# Altium PCB UHF_RFID_PROJECT.PcbDoc (part 1 of 3) (continued)
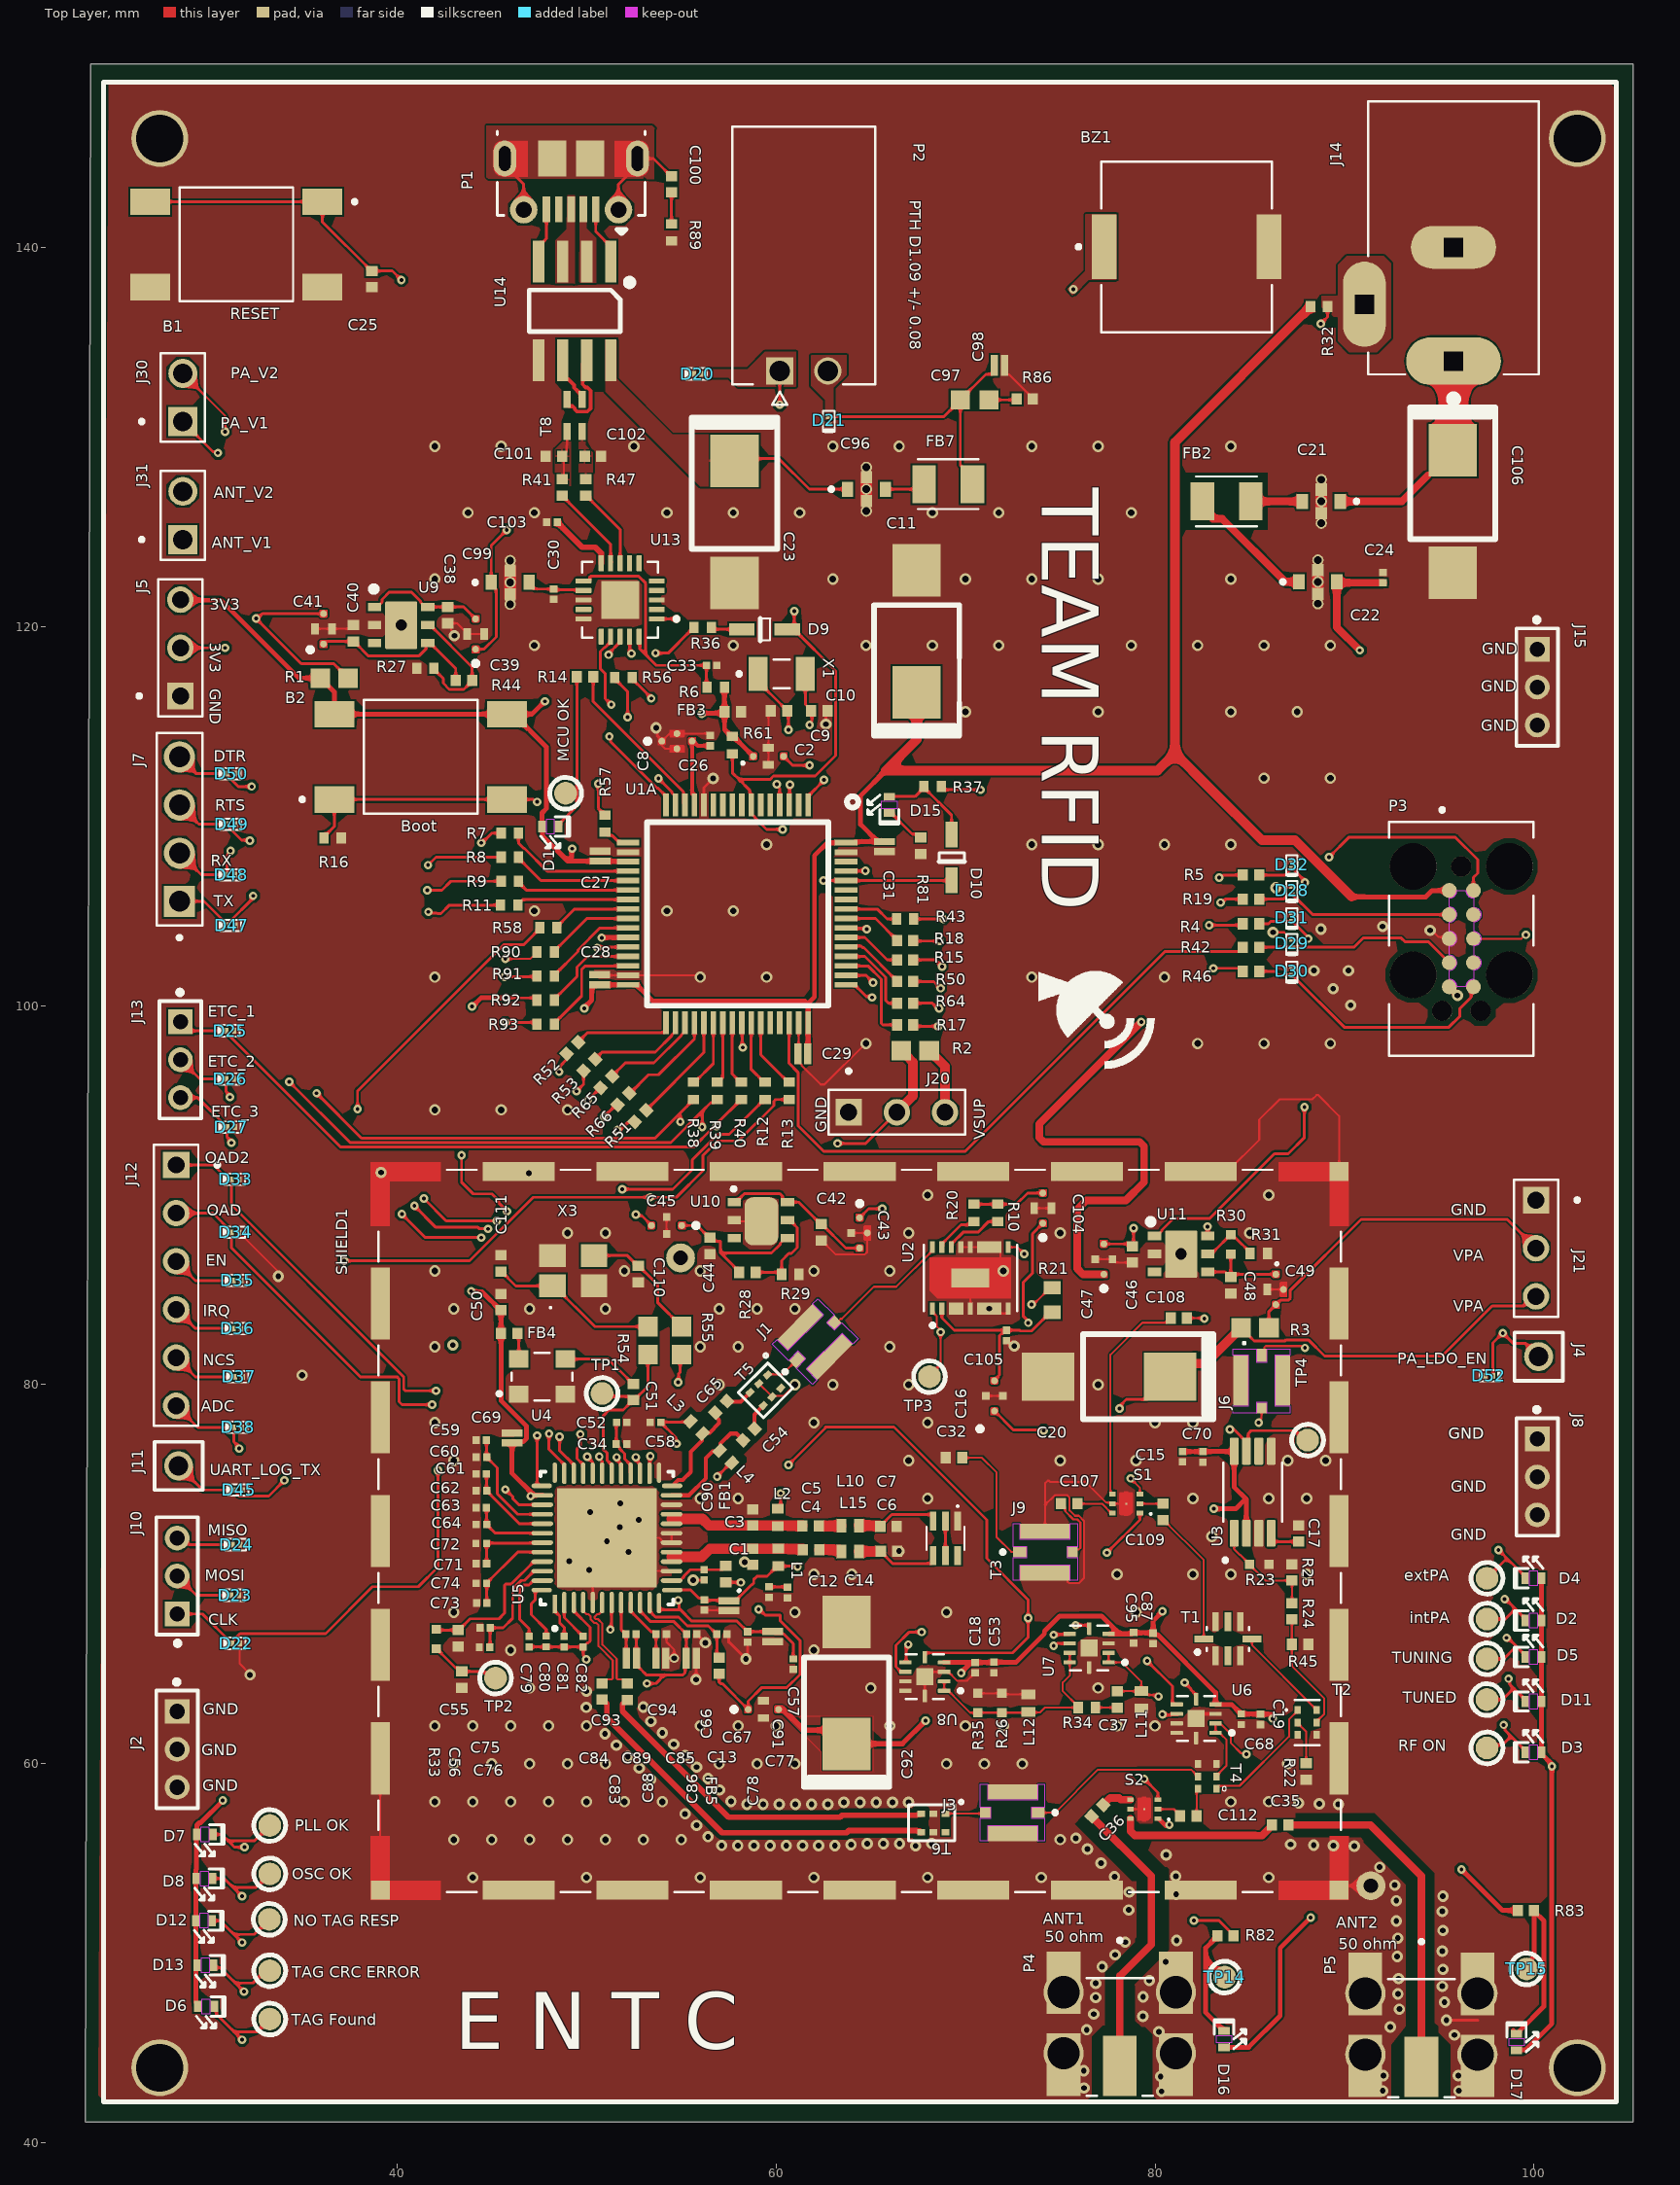
[diagram p0: Top Layer view]
## Components (designator, comment, footprint, x,y, rotation, side; value= is the part's Value field where it differs from the comment) (continued)
C84 "2u2F" CAPC0603X35N 52.35,66.836 r180 top
C85 "2u2F" CAPC0603X35N 55.55,66.836 r180 top
C86 "100nF" CAPC0510X35N 55.525,65.575 r180 top
C87 "2u2F" CAPC0603X35N 79.9,66.622 r90 top
C88 "100nF" CAPC0510X35N 53.925,65.575 r180 top
C89 "2u2F" CAPC0603X35N 53.947,66.836 r180 top
C90 "2u2F" CAPC0603X35N 56.21,69.97 r90 top
C91 "0.47uF" FP-NFM18-0_1-e0_05_0_35-MFG#1 59.334,62.871 r0 top
C92 "10uF" 2917(POL) 63.725,64.275 r90 top
C93 "82pF" CAPC1005X55N 50.825,63.818 r90 top
C94 "82pF" CAPC1005X55N 52.15,63.8 r90 top
C95 "120pF" CAPC0603X33N 78.875,66.644 r90 top
C96 "1uF" FIL_NFM21PC105B1A3D 64.77,127.244 r0 top
C97 "4u7F" CAPC1608X100N 70.485,131.953 r180 top
C98 "100nF" CAPC0510X35N 71.789,133.782 r180 top
C99 "1uF" FIL_NFM21PC105B1A3D 45.975,122.325 r0 top
C100 "4pF" CAPC1005X55N 54.483,143.332 r90 top
C101 "47pF" CAPC1005X55N 48.285,128.981 r0 top
C102 "47pF" CAPC1005X55N 50.343,128.981 r180 top
C103 "100nF" CAPC0603X33N 48.181,125.5 r0 top
C104 "0.47uF" FP-NFM18-0_1-e0_05_0_35-MFG#1 74.079,89.311 r90 top
C105 "2u2F" CAPC0603X35N 72.162,82.602 r90 top
C106 "6u8F" 2917(POL) 95.707,126.066 r270 top
C107 "82pF" CAPC1005X55N 75.475,73.725 r180 top
C108 "82pF" CAPC1005X55N 81.255,83.515 r180 top
C109 "82pF" CAPC1005X55N 80.425,73.293 r90 top
C110 "11pF" CAPC1005X55N 52.731,85.835 r270 top
C111 "11pF" CAPC1005X55N 45.492,86.394 r90 top
C112 "82pF" CAPC1005X55N 81.762,57.252 r0 top
D1 "LED BL" LED_0402 48.09,109.45 r180 top
D2 "LED BL" LED_0402 99.961,67.563 r0 top
D3 "LED BL" LED_0402 99.961,60.613 r0 top
D4 "LED BL" LED_0402 99.961,69.788 r0 top
D5 "LED BL" LED_0402 99.961,65.638 r0 top
D6 "LED BL" LED_0402 29.925,47.2 r180 top
D7 "LED BL" LED_0402 29.86,56.275 r180 top
D8 "LED BL" LED_0402 29.84,53.95 r180 top
D9 "BAT60JFILM" SOD323 59.4,119.85 r180 top
D10 "BAT60JFILM" SOD323 69.266,107.817 r270 top
D11 "LED BL" LED_0402 99.961,63.288 r0 top
D12 "LED BL" LED_0402 29.815,51.725 r180 top
D13 "LED BL" LED_0402 29.89,49.375 r180 top
D15 "LED RED" LED_0402 65.98,110.594 r90 top
D16 "LED BL" LED_0402 83.641,45.478 r270 top
D17 "LED BL" LED_0402 99.075,45.325 r270 top
D20 "TVS" ST0201 55.858,133.325 r0 top
D21 "TVS" ST0201 62.789,130.864 r90 top
D22 "TVS" ST0201 31.498,66.352 r0 top
D23 "TVS" ST0201 31.45,68.892 r0 top
D24 "TVS" ST0201 31.53,71.559 r0 top
D25 "TVS" ST0201 31.194,98.669 r0 top
D26 "TVS" ST0201 31.194,96.129 r0 top
D27 "TVS" ST0201 31.242,93.589 r0 top
D28 "TVS" ST0201 87.22,106.077 r90 top
D29 "TVS" ST0201 87.22,103.283 r90 top
D30 "TVS" ST0201 87.22,101.807 r90 top
D31 "TVS" ST0201 87.22,104.649 r90 top
D32 "TVS" ST0201 87.22,107.443 r90 top
D33 "TVS" ST0201 31.478,90.829 r0 top
D34 "TVS" ST0201 31.478,88.035 r0 top
D35 "TVS" ST0201 31.573,85.495 r0 top
D36 "TVS" ST0201 31.573,82.955 r0 top
D37 "TVS" ST0201 31.652,80.415 r0 top
D38 "TVS" ST0201 31.605,77.748 r0 top
D45 "TVS" ST0201 31.652,74.446 r0 top
D47 "TVS" ST0201 31.271,104.233 r0 top
D48 "TVS" ST0201 31.24,106.9 r0 top
D49 "TVS" ST0201 31.271,109.567 r0 top
D50 "TVS" ST0201 31.24,112.234 r0 top
D52 "TVS" ST0201 97.619,80.469 r180 top
extPA "Testpoint" Testpoint_FP 97.515,69.788 r90 top (schematic designator TP11)
FB1 "330R" BEADC1005X55N 57.353,70.002 r270 top
FB2 "31Ohm" FIL_NFZ32BW310HN11L 83.775,126.6 r180 top
FB3 "1K" BEADC1005X55N 57.718,115.5 r0 top
FB4 "1k" BEADC1005X55N 45.924,82.711 r0 top
FB5 "1K" BEADC1005X55N 56.998,65.177 r270 top
FB7 "31Ohm" FIL_NFZ32BW310HN11L 69.088,127.508 r0 top
intPA "Testpoint" Testpoint_FP 97.515,67.638 r90 top (schematic designator TP6)
J1 "COAX JACK" SW_MS-156HF(01) 62.002,82.203 r135 top
J2 "951103-8622-AR" FP-951103-8622-AR-MFG 28.402,60.764 r270 top
J3 "COAX JACK" SW_MS-156HF(01) 72.575,57.425 r270 top
J4 "MTSW-101-22-T-S-400" SAMTEC_MTSW-101-22-T-S-400 100.239,81.485 r0 top
J5 "5-146280-3" TE_5-146280-3 28.575,118.872 r90 top
J6 "COAX JACK" SW_MS-156HF(01) 85.624,80.298 r0 top
J7 "10129378-904005BLF" AMPHENOL_10129378-904005BLF 28.525,109.313 r90 top
J8 "951103-8622-AR" FP-951103-8622-AR-MFG 100.169,75.135 r270 top
J9 "Coax Jack" SW_MS-156HF(01) 74.117,71.171 r90 top
J10 "951103-8622-AR" FP-951103-8622-AR-MFG 28.402,69.908 r90 top
J11 "MTSW-101-22-T-S-400" SAMTEC_MTSW-101-22-T-S-400 28.477,75.716 r0 top
J12 "2267062-6" TE_2267062-6 28.35,85.241 r270 top
J13 "951103-8622-AR" FP-951103-8622-AR-MFG 28.575,97.145 r270 top
J14 "PJ-002A" CUI_PJ-002A 95.75,134 r90 top
J15 "951103-8622-AR" FP-951103-8622-AR-MFG 100.169,116.8 r270 top
J20 "5-146280-3" TE_5-146280-3 66.375,94.375 r0 top
J21 "5-146280-3" TE_5-146280-3 100.102,87.2 r270 top
J30 "5-146281-2" TE_5-146281-2 28.702,132.08 r90 top
J31 "5-146281-2" TE_5-146281-2 28.702,125.857 r90 top
L1 "30nH" INDC1005X60N 60.122,70.891 r270 top
L2 "30nH" INDC1005X60N 60.096,73 r270 top
L3 "30nH" INDC1005X60N 55.804,77.749 r315 top
L4 "30nH" INDC1005X60N 57.353,76.2 r315 top
L10 "3n6H" INDC1006X60N 63.909,72.568 r180 top
L11 "6n8H" INDC1006X60N 79.275,63.375 r90 top
L12 "6n2H" INDC1006X60N 73.322,63.209 r270 top
L15 "3n6H" INDC1006X60N 63.909,71.196 r0 top
"MCU OK" "Testpoint" Testpoint_FP 48.9,111.2 r90 top (schematic designator TP5)
"NO TAG RESP" "Testpoint" Testpoint_FP 33.265,51.793 r90 top (schematic designator TP16)
"OSC OK" "Testpoint" Testpoint_FP 33.29,54.193 r90 top (schematic designator TP13)
P1 "uUSB" MOLEX_1050170001 49.189,146.136 r180 top
P2 "1719740002" MOLEX_1719740002 60.198,133.477 r180 top
P3 ".06.04_J-LINK_NEEDLE_ADAPTER" SEGGER_8.06.04_J-LINK_NEEDLE_ADAPTER 96.164,103.53 r270 top
P4 "903-723J-51S" AMPHENOL_903-723J-51S 78.141,42.483 r180 top
P5 "903-723J-51S" AMPHENOL_903-723J-51S 94.055,42.418 r180 top
"PLL OK" "Testpoint" Testpoint_FP 33.29,56.746 r90 top (schematic designator TP12)
R1 "0R" RESC1607X60N 36.69,117.275 r180 top
R2 "0R" RESC1607X60N 67.35,97.625 r0 top
R3 "0R" RESC1607X60N 85.275,83 r180 top
R4 "220" RESC1005X40N#1 85.061,104.317 r180 top
R5 "220" RESC1005X40N#1 85.061,106.887 r0 top
R6 "0R" RESC1005X37N 56.818,116.8 r0 top
R7 "0R" RESC1005X37N 45.957,109.1 r0 top
R8 "0R" RESC1005X37N 45.957,107.83 r0 top
R9 "0R" RESC1005X37N 45.957,106.56 r0 top
R10 "0R" RESC1005X37N 71.708,89.061 r90 top
R11 "0R" RESC1005X37N 45.925,105.3 r0 top
R12 "0R" RESC1005X37N 59.425,95.5 r90 top
R13 "0R" RESC1005X37N 60.7,95.5 r90 top
R14 "220R" RESC1005X40N#1 49.925,117.35 r180 top
R15 "220R" RESC1005X40N#1 66.818,102.412 r0 top
R16 "10K" RESC1005X40N#2 36.605,108.85 r180 top
R17 "220R" RESC1005X40N#1 66.818,98.983 r0 top
R18 "220R" RESC1005X40N#1 66.818,103.428 r0 top
R19 "220" RESC1005X40N#1 85.061,105.617 r180 top
R20 "0R" RESC1005X37N 70.438,89.061 r90 top
R21 "100R" RESC1005X40 74.575,84.474 r90 top
R22 "51.1R" RESC1005X40N#1 87.975,59.593 r90 top
R23 "52.3R" RES_ERJ2RKF52R3X 85.501,70.519 r180 top
R24 "249R" RESC1005X40N#1 87.225,68.05 r270 top
R25 "62R" RESC1005X40N#1 87.225,70.1 r270 top
R26 "75R" RES_ERJ2RKF75R0X 71.925,63.213 r270 top
R27 "10K" RESC1005X40N#2 41.495,117.8 r180 top
R28 "35k7" RESC1005X40N#1 58.496,85.928 r180 top
R29 "10k" RESC1005X40N#2 60.755,85.827 r0 top
R30 "90.9k" RES_ERJ2RKF4222X 83.998,87.401 r270 top
R31 "10k" RESC1005X40N#2 85.475,86.925 r0 top
R32 "100k" RESC1005X40N#3 88.659,136.881 r180 top
R33 "15k" RES_ERJ-2GEJ153X 42.075,66.588 r90 top
R34 "0R" RESC1005X37N 76.403,62.967 r180 top
R35 "100R DNP" RES_ERJ2RKF75R0X 70.655,63.209 r270 top
R36 "0R" RESC1005X37N 56.125,119.95 r0 top
R37 "0R" RESC1005X37N 68.266,111.556 r180 top
R38 "0R" RESC1005X37N 55.65,95.5 r270 top
R39 "0R" RESC1005X37N 56.9,95.5 r270 top
R40 "0R" RESC1005X37N 58.175,95.5 r270 top
R41 "27R" RESC1005X40N#1 48.717,127.33 r270 top
R42 "220" RESC1005X40N#1 85.061,103.077 r180 top
R43 "0R" RESC1005X37N 66.818,104.571 r180 top
R44 "31K6" RESC1005X40N#1 43.532,117.15 r180 top
R45 "62R" RESC1005X40N#1 87.65,66.3 r180 top
R46 "220" RESC1005X40N#1 85.061,101.807 r180 top
R47 "27R" RESC1005X40N#1 49.962,127.33 r270 top
R50 "220R" RESC1005X40N#1 66.818,101.269 r0 top
R51 "220R" RESC1005X40N#1 52.846,94.179 r225 top
R52 "220R" RESC1005X40N#1 49.254,97.771 r225 top
R53 "220R" RESC1005X40N#1 50.152,96.873 r225 top
R54 "0R-DNP" RESC1607X60N 53.239,82.33 r90 top
R55 "0R- DNP" RESC1607X60N 55.017,82.33 r90 top
R56 "0R" RESC1005X37N 51.95,117.3 r180 top
R57 "0R" RESC1005X37N 50.975,109.6 r270 top
R58 "0R" RESC1005X37N 47.985,104.107 r180 top
R61 "10K" RESC1005X40N#2 57.7,113.745 r90 top
R64 "220R" RESC1005X40N#1 66.818,100.126 r0 top
R65 "220R" RESC1005X40N#1 51.05,95.975 r225 top
R66 "220R" RESC1005X40N#1 51.948,95.077 r225 top
R81 "220R" RESC1005X40N#1 67.631,108.432 r90 top
R82 "220R" RESC1005X40N#1 83.718,50.927 r180 top
R83 "220R" RESC1005X40N#1 99.567,52.263 r0 top
R86 "20R" RESC1005X40N#1 73.127,132.004 r180 top
R89 "0R" RESC1005X37N 54.483,140.792 r90 top
R90 "0R" RESC1005X37N 47.85,102.825 r180 top
R91 "0R" RESC1005X37N 47.85,101.555 r0 top
R92 "0R" RESC1005X37N 47.85,100.285 r0 top
R93 "0R" RESC1005X37N 47.85,99.015 r0 top
"RF ON" "Testpoint" Testpoint_FP 97.515,60.838 r90 top (schematic designator TP10)
S1 "SKY13431-374LF" SW_SKY13431-374LF 78.475,73.725 r180 top
S2 "SP2T" SW_SKY13431-374LF 79.426,57.607 r180 top
SHIELD1 "2118732-2" TE_2118732-2 64.416,72.287 r180 top
T1 "LOW PASS FILTER" FIL_0900LP15B0063E 83.846,66.593 r0 top
T2 "20dB Dir Coupler" COUPLER_DC1722J5020AHF 88.024,62.18 r0 top
T3 "Balun" 0900BL15C050E 68.936,71.896 r180 top
T4 "10dB Dir Coupler" PSON65P164X204X84-6N 82.753,59.334 r180 top
T5 "BD0810J50100AHF" BD0810J50100AHF 59.445,79.711 r225 top
T6 "BD0810J50100AHF" BD0810J50100AHF 68.3,56.88 r180 top
T8 "744231091" WE-CNSW_0805 49.375,131.125 r270 top
"TAG CRC ERROR" "Testpoint" Testpoint_FP 33.29,49.087 r90 top (schematic designator TP17)
"TAG Found" "Testpoint" Testpoint_FP 33.29,46.533 r90 top (schematic designator TP8)
TP1 "Testpoint" Testpoint_FP 50.826,79.536 r0 top
TP2 "Testpoint" Testpoint_FP 45.2,64.525 r90 top
TP3 "Testpoint" Testpoint_FP 68.098,80.425 r90 top
TP4 "Testpoint" Testpoint_FP 88.05,77.075 r90 top
TP14 "Testpoint" Testpoint_FP 83.675,48.75 r90 top
TP15 "Testpoint" Testpoint_FP 99.6,49.175 r90 top
TUNED "Testpoint" Testpoint_FP 97.515,63.388 r90 top (schematic designator TP9)
TUNING "Testpoint" Testpoint_FP 97.515,65.538 r90 top (schematic designator TP7)
U1A "STM32L476RGT6" LQFP-64(10X10)MM 57.944,104.845 r180 top
U2 "TQP9107" IC_TQP9107 70.257,85.632 r90 top
U3 "Log Detect" SOP65P490X110-8N 85.15,74.325 r90 top
U4 "TCXO 20.000Mhz" OSCCC320X250X100N 47.651,80.425 r0 top
U5 "ST25RU3993-BQFT" FP-ST25RU3993-BQFT-IPC_A 51.08,71.916 r90 top
U6 "PE64906MLAA-Z" QFN50P200X200X60-11N 82.169,62.382 r180 top
U7 "PE64906MLAA-Z" QFN50P200X200X60-11N 76.525,66.1 r180 top
U8 "PE64906MLAA-Z" QFN50P200X200X60-11N 67.85,64.6 r180 top
U9 "LD39100PUR" DFN6-3X3MM#1 40.225,120.075 r0 top
U10 "LD39100PUR" DFN6-3X3MM#2 59.207,88.681 r0 top
U11 "LD39100PUR" DFN6-3X3MM#1 81.375,86.9 r0 top
U13 "FT231XQ-R" QFN50P400X400X80-21N 51.775,121.4 r180 top
U14 "USB6B1RL" SOIC8 49.375,136.65 r180 top
X1 "NX3215SA-32.768K-STD-MUA-14" XTAL_NX3215SA-32.768K-STD-MUA-14 60.3,117.5 r0 top
X3 "20MHz" NX3225SA20000000MHZB2 49.302,86.013 r0 top

## Footprints (in the part's own frame and the unit in brackets; to place one, negate y for a bottom-side part, rotate by r counter-clockwise, add the part's x,y. Pads: shape width x height; smd on the part's side, far side on the other; paste and mask are expansions set on the pad)
0900BL15C050E [mm]
  rect 0.35x1 smd mask+0.01: 1(-0.65,-0.9) 2(0,-0.9) 3(0.65,-0.9) 4(0.65,0.9) 5(0,0.9) 6(-0.65,0.9)
  silkscreen extent -1,-1.75 1,0.63, body extent -1,-1.37 1,1.37, height 0.9
2917(POL) [mm]
  rect 2.77x2.55 smd mask+0.01: 1(-3.22,0) 2(3.22,0)
  silkscreen extent -5.5,-2.25 1.38,2.25
AMPHENOL_903-723J-51S [mm]
  rect 1.78x3.18 smd mask+0.01: 1(0,-1.59)
  round 2.12 hole 1.7 mask+0.01: S1(-2.96,-2.24) S2(2.96,-2.24) S3(-2.96,-5.47) S4(2.96,-5.47)
  rect 1.78x3.3 smd mask+0.01: S5(-2.96,-1.65) S6(2.96,-1.65) S7(2.96,-5.97) S8(-2.96,-5.97)
  silkscreen extent -1.75,-8.3 1.75,0
AMPHENOL_10129378-904005BLF [mm]
  rect 1.65x1.65 / inner round 1.65 / far side rect 1.65x1.65 hole 1.1 mask+0.01: 01(-3.81,0)
  round 1.65 hole 1.1 mask+0.01: 02(-1.27,0) 03(1.27,0) 04(3.81,0)
  silkscreen extent -5.83,-1.22 5.08,1.19, body extent -5.08,-1.21 5.08,1.21, height 12.19
BD0810J50100AHF [mm]
  rect 0.41x0.33 smd mask+0.01: 1(-0.65,-0.495) 2(0,-0.495) 3(0.65,-0.495) 4(0.65,0.495) 5(0,0.495) 6(-0.65,0.495)
  silkscreen extent -1.4,-1.38 1.1,0.95, body extent -1.02,-0.64 1.02,0.64, height 0.84
BEADC1005X55N [mm]
  rect 0.54x0.6 smd mask+0.01: 1(-0.432,0) 2(0.432,0)
  body extent -0.5,-0.25 0.5,0.25, height 0.55
CAPC0510X35N [mm]
  rect 0.38x1.1 smd mask+0.01: 1(-0.263,0) 2(0.263,0)
  body extent -0.25,-0.5 0.25,0.5, height 0.35
CAPC0603X33N [mm]
  rect 0.38x0.4 smd mask+0.01: 1(-0.281,0) 2(0.281,0)
  body extent -0.3,-0.15 0.3,0.15, height 0.3
CAPC0603X35N [mm]
  rect 0.39x0.4 smd mask+0.01: 1(-0.272,0) 2(0.272,0)
CAPC1005X55N [mm]
  rect 0.54x0.6 smd mask+0.01: 1(-0.432,0) 2(0.432,0)
CAPC1608X100N [mm]
  rect 1x1.02 smd mask+0.01: 1(-0.759,0) 2(0.759,0)
  body extent -0.8,-0.4 0.8,0.4, height 1
COUPLER_DC1722J5020AHF [mm]
  rect 0.33x0.41 smd mask+0.01: 1(-0.495,0.66) 2(-0.495,0) 3(-0.495,-0.66) 4(0.495,-0.66) 5(0.495,0) 6(0.495,0.66)
  silkscreen extent -1.15,-1.19 0.65,1.19, body extent -0.64,-1.02 0.65,1.02, height 0.61
CUI_PJ-002A [mm]
  oval 2.5x5 hole 1 square mask+0.01: 1(0,0)
  oval 2.25x4.5 hole 1 square mask+0.01: 2(6,0)
  oval 4.5x2.25 hole 1 square mask+0.01: 3(3,4.7)
  silkscreen extent -2.2,-4.5 13.7,4.5, body extent -0.7,-4.5 13.7,4.9, height 11
DFN6-3X3MM#1 [mm]
  rect 0.7x0.45 smd mask+0.01: 1(-1.4,0.95) 2(-1.4,0) 3(-1.4,-0.95) 4(1.4,-0.95) 5(1.4,0) 6(1.4,0.95)
  rrect9% 1.7x2.5 smd mask+0.01: E.P.(0,-0.01)
  rrect50% 1.7x2.5 smd far side paste-2 mask+0.01: E.P.1(0,-0.01)
  rect 1.108x1.108 / inner round 1.108 / far side rect 1.108x1.108 hole 0.6 mask+0.01: GND_VIA(0,0)
  silkscreen extent -1.55,1.8 -1.35,2, body extent -1.5,-1.5 1.5,1.5, height 1
DFN6-3X3MM#2 [mm]
  rect 0.7x0.45 smd mask+0.01: 1(-1.4,0.95) 2(-1.4,0) 3(-1.4,-0.95) 4(1.4,-0.95) 5(1.4,0) 6(1.4,0.95)
  silkscreen extent -1.51,1.57 -1.36,1.72, body extent -1.5,-1.5 1.5,1.5, height 1
FIL_0900LP15B0063E [mm]
  rect 0.35x1 smd mask+0.01: 1(-0.65,-0.9) 2(0,-0.9) 3(0.65,-0.9) 5(0.65,0.9) 6(0,0.9) 7(-0.65,0.9)
  rect 1x0.35 smd mask+0.01: 4(1.275,0) 8(-1.275,0)
  silkscreen extent -1.71,-0.8 1.11,0.63, body extent -1,-0.63 1,0.63, height 1.05
FIL_NFM21PC105B1A3D [mm]
  rect 0.6x0.8 smd mask+0.01: 1(-1,0) 3(1,0)
  rect 0.6x0.65 smd mask+0.01: 2(0,0.625) 2_1(0,-0.625)
  round 0.6 hole 0.4 mask+0.01: 2_2(0,1.15) 2_3(0,0) 2_4(0,-1.15)
  Top Layer region: 0.3,-0.85 -0.3,-0.85 -0.3,0.85 0.3,0.85
  silkscreen extent -1.95,-0.1 -1.75,0.1
FIL_NFZ32BW310HN11L [mm]
  rect 1.25x2 smd mask+0.01: 1(-1.275,0) 2(1.275,0)
  silkscreen extent -1.6,-1.31 1.6,1.31, body extent -1.6,-1.25 1.6,1.25, height 1.7
FP-951103-8622-AR-MFG [mm]
  rect 1.3x1.3 hole 0.8 paste-1000 mask+0.01: 1(-2,0)
  round 1.3 hole 0.8 paste-1000 mask+0.01: 2(0,0) 3(2,0)
  silkscreen extent -3.67,-1.1 3.1,1.1, body extent -3.2,-1.2 3.2,1.2, height 0.25
FP-NFM18-0_1-e0_05_0_35-MFG#1 [mm]
  round 0.36 smd paste+0 mask+0.01: 1(-0.8,0) 3(0.8,0)
  Top Layer region: -1,-0.2 -1,0.2 -0.65,0.2 -0.6,0.15 -0.6,-0.15 -0.65,-0.2 -1,-0.2
  Top Layer region: 1,-0.2 1,0.2 0.65,0.2 0.6,0.15 0.6,-0.15 0.65,-0.2 1,-0.2
  silkscreen extent -1.43,-0.43 -1.27,-0.28, body extent -1.1,-0.7 1.1,0.7, height 0.25
FP-NFM18-0_1-e0_05_0_35-MFG#2 [mm]
  round 0.36 smd paste+0 mask+0.01: 1(-0.8,0) 2(0,-0.4) 2(0,0.4) 3(0.8,0)
  Top Layer region: -1,-0.2 -1,0.2 -0.65,0.2 -0.6,0.15 -0.6,-0.15 -0.65,-0.2 -1,-0.2
  Top Layer region: 1,-0.2 1,0.2 0.65,0.2 0.6,0.15 0.6,-0.15 0.65,-0.2 1,-0.2
  Top Layer region: -0.4,0.6 0.4,0.6 0.4,0.25 0.35,0.2 -0.35,0.2 -0.4,0.25 -0.4,0.6
  Top Layer region: -0.4,-0.6 0.4,-0.6 0.4,-0.25 0.35,-0.2 -0.35,-0.2 -0.4,-0.25 -0.4,-0.6
  silkscreen extent -1.67,-0.12 -1.42,0.12, body extent -1.1,-0.7 1.1,0.7, height 0.25
FP-NFM18-0_1-e0_05_0_35-MFG#3 [mm]
  round 0.36 smd paste+0 mask+0.01: 1(-0.8,0) 2(0,0.4) 3(0.8,0)
  Top Layer region: -1,-0.2 -1,0.2 -0.65,0.2 -0.6,0.15 -0.6,-0.15 -0.65,-0.2 -1,-0.2
  Top Layer region: 1,-0.2 1,0.2 0.65,0.2 0.6,0.15 0.6,-0.15 0.65,-0.2 1,-0.2
  Top Layer region: -0.4,0.6 0.4,0.6 0.4,0.25 0.35,0.2 -0.35,0.2 -0.4,0.25 -0.4,0.6
  silkscreen extent -1.67,-0.12 -1.43,0.13, body extent -1.1,-0.7 1.1,0.7, height 0.25
FP-ST25RU3993-BQFT-IPC_A [mm]
  rect 0.975x0.239 smd paste+0 mask+0.01: 1(-3.491,2.75)
  rrect100% 1.138x0.239 smd paste+0 mask+0.01: 2(-3.41,2.25) 3(-3.41,1.75) 4(-3.41,1.25) 5(-3.41,0.75) 6(-3.41,0.25) 7(-3.41,-0.25) 8(-3.41,-0.75) 9(-3.41,-1.25) 10(-3.41,-1.75) 11(-3.41,-2.25) 26(3.41,-2.25) 27(3.41,-1.75) 28(3.41,-1.25) 29(3.41,-0.75) 30(3.41,-0.25) 31(3.41,0.25) 32(3.41,0.75) 33(3.41,1.25) 34(3.41,1.75) 35(3.41,2.25)
  rrect100% 1.073x0.239 smd paste+0 mask+0.01: 12(-3.442,-2.75) 25(3.442,-2.75) 36(3.442,2.75)
  rrect100% 0.239x1.073 smd paste+0 mask+0.01: 13(-2.75,-3.442) 24(2.75,-3.442) 37(2.75,3.442) 48(-2.75,3.442)
  rrect100% 0.239x1.138 smd paste+0 mask+0.01: 14(-2.25,-3.41) 15(-1.75,-3.41) 16(-1.25,-3.41) 17(-0.75,-3.41) 18(-0.25,-3.41) 19(0.25,-3.41) 20(0.75,-3.41) 21(1.25,-3.41) 22(1.75,-3.41) 23(2.25,-3.41) 38(2.25,3.41) 39(1.75,3.41) 40(1.25,3.41) 41(0.75,3.41) 42(0.25,3.41) 43(-0.25,3.41) 44(-0.75,3.41) 45(-1.25,3.41) 46(-1.75,3.41) 47(-2.25,3.41)
  rect 5.24x5.24 smd paste-1000 mask+0.01: 49(0,0)
  silkscreen extent -4.86,-3.5 3.5,3.5, body extent -4.48,-4.48 4.48,4.48, height 0.25
IC_TQP9107 [mm]
  rect 0.62x0.27 smd mask+0.01: 1(-1.62,2) 2(-1.62,1.5) 4(-1.62,0) 6(-1.62,-2) 7(1.62,-2) 9(1.62,0) 10(1.62,0.5) 11(1.62,1) 12(1.62,1.5) 13(1.62,2)
  rect 0.62x0.77 smd mask+0.01: 3(-1.62,0.75)
  rect 0.62x1.27 smd mask+0.01: 5(-1.62,-1) 8(1.62,-1)
  rect 1x2 smd paste-2 mask+0.01: 14(0,0)
  Top Layer region: 1.08,-2.14 -1.08,-2.14 -1.08,1.74 -0.68,2.14 1.08,2.14
  silkscreen extent -2.6,-2.46 1.75,2.46, body extent -1.75,-2.25 1.75,2.25, height 1
INDC1005X60N [mm]
  rect 0.51x0.63 smd mask+0.01: 1(-0.46,0) 2(0.46,0)
INDC1006X60N [mm]
  rect 0.51x0.73 smd mask+0.01: 1(-0.46,0) 2(0.46,0)
LED_0402 [mm]
  rect 0.399x0.6 smd mask+0.01: A(0.435,0) C(-0.435,0)
  Keep-Out Layer region: 0.2,-0.4 -0.2,-0.4 -0.2,0.4 0.2,0.4
  silkscreen extent -1.02,-0.51 0.51,1.14
LQFP-64(10X10)MM [mm]
  rect 0.3x1.2 smd mask+0.01: 1(-3.75,-5.75) 2(-3.25,-5.75) 3(-2.75,-5.75) 4(-2.25,-5.75) 5(-1.75,-5.75) 6(-1.25,-5.75) 7(-0.75,-5.75) 8(-0.25,-5.75) 9(0.25,-5.75) 10(0.75,-5.75) 11(1.25,-5.75) 12(1.75,-5.75) 13(2.25,-5.75) 14(2.75,-5.75) 15(3.25,-5.75) 16(3.75,-5.75) 33(3.75,5.75) 34(3.25,5.75) 35(2.75,5.75) 36(2.25,5.75) 37(1.75,5.75) 38(1.25,5.75) 39(0.75,5.75) 40(0.25,5.75) 41(-0.25,5.75) 42(-0.75,5.75) 43(-1.25,5.75) 44(-1.75,5.75) 45(-2.25,5.75) 46(-2.75,5.75) 47(-3.25,5.75) 48(-3.75,5.75)
  rect 1.2x0.3 smd mask+0.01: 17(5.75,-3.75) 18(5.75,-3.25) 19(5.75,-2.75) 20(5.75,-2.25) 21(5.75,-1.75) 22(5.75,-1.25) 23(5.75,-0.75) 24(5.75,-0.25) 25(5.75,0.25) 26(5.75,0.75) 27(5.75,1.25) 28(5.75,1.75) 29(5.75,2.25) 30(5.75,2.75) 31(5.75,3.25) 32(5.75,3.75) 49(-5.75,3.75) 50(-5.75,3.25) 51(-5.75,2.75) 52(-5.75,2.25) 53(-5.75,1.75) 54(-5.75,1.25) 55(-5.75,0.75) 56(-5.75,0.25) 57(-5.75,-0.25) 58(-5.75,-0.75) 59(-5.75,-1.25) 60(-5.75,-1.75) 61(-5.75,-2.25) 62(-5.75,-2.75) 63(-5.75,-3.25) 64(-5.75,-3.75)
  silkscreen extent -6.4,-6.2 4.76,4.85, body extent -6,-6 6,6, height 1.6
MOLEX_1050170001 [mm]
  rect 0.4x1.35 smd mask+0.01: 1(-1.3,4.125) 2(-0.65,4.125) 3(0,4.125) 4(0.65,4.125) 5(1.3,4.125)
  round 1.45 hole 0.85 mask+0.01: SH1(-2.5,4.15) SH2(2.5,4.15)
  oval 1.2x1.9 hole 0.6 slot 1.3 at 90 deg mask+0.01: SH3(-3.5,1.45) SH6(3.5,1.45)
  rect 1.5x1.9 smd mask+0.01: SH4(-1,1.45) SH5(1,1.45)
  Top Layer region: 3.626,2.399 3.652,2.397 3.678,2.394 3.704,2.389 3.729,2.383 3.755,2.376 3.779,2.367 3.803,2.357 3.827,2.346 3.85,2.333 3.872,2.319 3.894,2.305 3.915,2.289 3.935,2.272 3.954,2.254 3.972,2.235 3.989,2.215 4.005,2.194 4.019,2.172 4.033,2.15 4.046,2.127 4.057,2.103 4.067,2.079 4.076,2.055 4.083,2.029 4.089,2.004 4.094,1.978 4.097,1.952 4.099,1.926 4.1,1.9 4.1,1 4.099,0.974 4.097,0.948 4.094,0.922 4.089,0.896 4.083,0.871 4.076,0.845 4.067,0.821 4.057,0.797 4.046,0.773 4.033,0.75 4.019,0.728 4.005,0.706 3.989,0.685 3.972,0.665 3.954,0.646 3.935,0.628 3.915,0.611 3.894,0.595 3.872,0.581 3.85,0.567 3.827,0.554 3.803,0.543 3.779,0.533 3.755,0.524 3.729,0.517 3.704,0.511 3.678,0.506 3.652,0.503 3.626,0.501 3.6,0.5 2.3,0.5 2.3,2.4 3.6,2.4
  Top Layer region: -2.3,0.5 -3.6,0.5 -3.626,0.501 -3.652,0.503 -3.678,0.506 -3.704,0.511 -3.729,0.517 -3.755,0.524 -3.779,0.533 -3.803,0.543 -3.827,0.554 -3.85,0.567 -3.872,0.581 -3.894,0.595 -3.915,0.611 -3.935,0.628 -3.954,0.646 -3.972,0.665 -3.989,0.685 -4.005,0.706 -4.019,0.728 -4.033,0.75 -4.046,0.773 -4.057,0.797 -4.067,0.821 -4.076,0.845 -4.083,0.871 -4.089,0.896 -4.094,0.922 -4.097,0.948 -4.099,0.974 -4.1,1 -4.1,1.9 -4.099,1.926 -4.097,1.952 -4.094,1.978 -4.089,2.004 -4.083,2.029 -4.076,2.055 -4.067,2.079 -4.057,2.103 -4.046,2.127 -4.033,2.15 -4.019,2.172 -4.005,2.194 -3.989,2.215 -3.972,2.235 -3.954,2.254 -3.935,2.272 -3.915,2.289 -3.894,2.305 -3.872,2.319 -3.85,2.333 -3.827,2.346 -3.803,2.357 -3.779,2.367 -3.755,2.376 -3.729,2.383 -3.704,2.389 -3.678,2.394 -3.652,2.397 -3.626,2.399 -3.6,2.4 -2.3,2.4
  Bottom_Gnd region: -2.3,0.5 -3.6,0.5 -3.626,0.501 -3.652,0.503 -3.678,0.506 -3.704,0.511 -3.729,0.517 -3.755,0.524 -3.779,0.533 -3.803,0.543 -3.827,0.554 -3.85,0.567 -3.872,0.581 -3.894,0.595 -3.915,0.611 -3.935,0.628 -3.954,0.646 -3.972,0.665 -3.989,0.685 -4.005,0.706 -4.019,0.728 -4.033,0.75 -4.046,0.773 -4.057,0.797 -4.067,0.821 -4.076,0.845 -4.083,0.871 -4.089,0.896 -4.094,0.922 -4.097,0.948 -4.099,0.974 -4.1,1 -4.1,1.9 -4.099,1.926 -4.097,1.952 -4.094,1.978 -4.089,2.004 -4.083,2.029 -4.076,2.055 -4.067,2.079 -4.057,2.103 -4.046,2.127 -4.033,2.15 -4.019,2.172 -4.005,2.194 -3.989,2.215 -3.972,2.235 -3.954,2.254 -3.935,2.272 -3.915,2.289 -3.894,2.305 -3.872,2.319 -3.85,2.333 -3.827,2.346 -3.803,2.357 -3.779,2.367 -3.755,2.376 -3.729,2.383 -3.704,2.389 -3.678,2.394 -3.652,2.397 -3.626,2.399 -3.6,2.4 -2.3,2.4
  Bottom_Gnd region: 3.626,2.399 3.652,2.397 3.678,2.394 3.704,2.389 3.729,2.383 3.755,2.376 3.779,2.367 3.803,2.357 3.827,2.346 3.85,2.333 3.872,2.319 3.894,2.305 3.915,2.289 3.935,2.272 3.954,2.254 3.972,2.235 3.989,2.215 4.005,2.194 4.019,2.172 4.033,2.15 4.046,2.127 4.057,2.103 4.067,2.079 4.076,2.055 4.083,2.029 4.089,2.004 4.094,1.978 4.097,1.952 4.099,1.926 4.1,1.9 4.1,1 4.099,0.974 4.097,0.948 4.094,0.922 4.089,0.896 4.083,0.871 4.076,0.845 4.067,0.821 4.057,0.797 4.046,0.773 4.033,0.75 4.019,0.728 4.005,0.706 3.989,0.685 3.972,0.665 3.954,0.646 3.935,0.628 3.915,0.611 3.894,0.595 3.872,0.581 3.85,0.567 3.827,0.554 3.803,0.543 3.779,0.533 3.755,0.524 3.729,0.517 3.704,0.511 3.678,0.506 3.652,0.503 3.626,0.501 3.6,0.5 2.3,0.5 2.3,2.4 3.6,2.4
  silkscreen extent -3.9,0 3.9,4.45
MOLEX_1719740002 [mm]
  rect 1.44x1.44 / inner round 1.44 / far side rect 1.44x1.44 hole 1.09 mask+0.01: 1(0,0)
  round 1.44 hole 1.09 mask+0.01: 2(-2.54,0)
  silkscreen extent -5.04,-12.88 2.5,1.78
NX3225SA20000000MHZB2 [mm]
  rect 1.4x1.2 smd mask+0.01: 1(-1.1,-0.8) 2(1.1,-0.8) 3(1.1,0.8) 4(-1.1,0.8)
  silkscreen extent -1.25,-2 -1.15,-1.9, body extent -1.68,-1.28 1.68,1.28, height 0.8
OSCCC320X250X100N [mm]
  rect 1.02x0.92 smd mask+0.01: 1(-1.225,-0.925) 2(1.225,-0.925) 3(1.225,0.925) 4(-1.225,0.925)
  silkscreen extent -2.35,-1.25 1.6,1.25, body extent -1.6,-1.25 1.6,1.25, height 1
PSON65P164X204X84-6N [mm]
  rect 0.33x0.41 smd mask+0.01: 1(-0.495,0.65) 2(-0.495,0) 3(-0.495,-0.65) 4(0.495,-0.65) 5(0.495,0) 6(0.495,0.65)
  silkscreen extent -1.01,0.54 -0.79,0.76
QFN50P200X200X60-11N [mm]
  rrect25% 0.66x0.22 smd mask+0.01: 1(-1.025,0.75) 2(-1.025,0.25) 3(-1.025,-0.25) 4(-1.025,-0.75) 6(1.025,-0.75) 7(1.025,-0.25) 8(1.025,0.25) 9(1.025,0.75)
  rrect25% 0.22x0.66 smd mask+0.01: 5(0,-1.025) 10(0,1.025)
  rect 0.9x0.9 smd paste-1 mask+0.01: 11(0,0)
  silkscreen extent -1.98,-1.18 1,1.18
QFN50P400X400X80-21N [mm]
  rrect25% 0.84x0.27 smd mask+0.01: 1(-1.935,1) 2(-1.935,0.5) 3(-1.935,0) 4(-1.935,-0.5) 5(-1.935,-1) 11(1.935,-1) 12(1.935,-0.5) 13(1.935,0) 14(1.935,0.5) 15(1.935,1)
  rrect25% 0.27x0.84 smd mask+0.01: 6(-1,-1.935) 7(-0.5,-1.935) 8(0,-1.935) 9(0.5,-1.935) 10(1,-1.935) 16(1,1.935) 17(0.5,1.935) 18(0,1.935) 19(-0.5,1.935) 20(-1,1.935)
  rect 2x2 smd paste-0.37 mask+0.01: 21(0,0)
  silkscreen extent -3.08,-2 2,2
RES_ERJ2RKF52R3X [mm]
  rect 0.475x0.5 smd mask+0.01: 1(-0.512,0) 2(0.512,0)
RES_ERJ2RKF75R0X [mm]
  rect 0.475x0.5 smd mask+0.01: 1(-0.512,0) 2(0.512,0)
RES_ERJ2RKF4222X [mm]
  rect 0.475x0.5 smd mask+0.01: 1(-0.512,0) 2(0.512,0)
RES_ERJ-2GEJ153X [mm]
  rect 0.475x0.5 smd mask+0.01: 1(-0.512,0) 2(0.512,0)
  body extent -0.5,-0.25 0.5,0.25, height 0.35
RESC1005X37N [mm]
  rect 0.49x0.6 smd mask+0.01: 1(-0.457,0) 2(0.457,0)
RESC1005X40 [mm]
  rect 0.7x0.9 smd mask+0.01: 1(-0.65,0) 2(0.65,0)
RESC1005X40N#1 [mm]
  rect 0.54x0.6 smd mask+0.01: 1(-0.432,0) 2(0.432,0)
  body extent -0.5,-0.25 0.5,0.25, height 0.4
RESC1005X40N#2 [mm]
  rect 0.49x0.6 smd mask+0.01: 1(-0.455,0) 2(0.455,0)
  body extent -0.5,-0.25 0.5,0.25, height 0.4
RESC1005X40N#3 [mm]
  rect 0.51x0.6 smd mask+0.01: 1(-0.445,0) 2(0.445,0)
RESC1607X60N [mm]
  rect 1.04x1.02 smd mask+0.01: 1(-0.735,0) 2(0.735,0)
SAMTEC_MTSW-101-22-T-S-400 [mm]
  round 1.53 hole 1.02 mask+0.01: 01(0,0)
  silkscreen extent -1.27,-1.27 1.27,1.27
SEGGER_8.06.04_J-LINK_NEEDLE_ADAPTER [mil]
  round 31 smd paste-39.37 mask+0.39: 1(-100,-25) 2(-50,-25) 3(0,-25) 4(50,-25) 5(100,-25) 6(100,25) 7(50,25) 9(-50,25) 10(-100,25)
  round 96.5 hole 96.5 unplated mask+0.39: ""(-150,100) ""(-150,-100) ""(75,100) ""(75,-100)
  round 42 hole 42 unplated mask+0.39: ""(-150,0) ""(150,-39.96) ""(150,39.96)
  Keep-Out Layer region: 311 vertices and 0 holes, not listed, extent -100,-25 100,40.5
  Keep-Out Layer region: 311 vertices and 0 holes, not listed, extent -100,-25 100,40.5
  silkscreen extent -271,-150 243,150, body extent -375,-310 243,310, height 7885
SOD323 [mm]
  rect 1.35x0.65 smd mask+0.01: A(-1.2,0) C(1.2,0)
  silkscreen extent -0.29,-0.58 -0.29,0.58, body extent -1.25,-0.64 1.25,0.64, height 1.17
SOIC8 [mm]
  rect 0.6x2.2 smd mask+0.01: 1(-1.905,-2.6) 2(-0.635,-2.6) 3(0.635,-2.6) 4(1.905,-2.6) 5(1.905,2.6) 6(0.635,2.6) 7(-0.635,2.6) 8(-1.905,2.6)
  silkscreen extent -3.05,-1.65 2.4,1.1, body extent -3,-2.45 3,2.45, height 1.75
SOP65P490X110-8N [mm]
  rrect25% 1.42x0.47 smd mask+0.01: 1(-2.165,0.975) 2(-2.165,0.325) 3(-2.165,-0.325) 4(-2.165,-0.975) 5(2.165,-0.975) 6(2.165,-0.325) 7(2.165,0.325) 8(2.165,0.975)
  silkscreen extent -3.68,-1.55 1.55,1.55, body extent -2.45,-1.5 2.45,1.5, height 1.1
SPKR_PKMCS0909E4000-R1 [mm]
  rect 1.3x3.4 smd mask+0.01: 1(-4.35,0) 2(4.35,0)
  silkscreen extent -5.8,-4.5 4.5,4.5
ST0201 [mm]
  rect 0.243x0.3 smd mask+0.01: 1(-0.206,0) 2(0.207,0)
  silkscreen extent -0.6,-0.3 0.5,0.3, body extent -0.3,-0.15 0.3,0.15, height 0.33
SW_MS-156HF(01) [mm]
  rect 0.55x0.7 smd paste-1 mask+0.01: A(0,1.25)
  rect 0.55x0.55 smd paste-1 mask+0.01: C(0,-1.525)
  rect 0.8x2.65 smd mask+0.01: G1(-1.1,-0.075) G2(1.1,-0.075)
  Keep-Out Layer region: 1.5,1.26 0.69,1.26 0.69,-1.41 1.5,-1.41 1.5,-1.8 0.285,-1.8 0.285,-1.24 -0.285,-1.24 -0.285,-1.8 -1.5,-1.8 -1.5,-1.41 -0.69,-1.41 -0.69,1.26 -1.5,1.26 -1.5,1.6 -0.285,1.6 -0.285,0.89 0.285,0.89 0.285,1.6 1.5,1.6
  Keep-Out Layer region: 1.5,1.26 0.69,1.26 0.69,-1.41 1.5,-1.41 1.5,-1.8 0.285,-1.8 0.285,-1.24 -0.285,-1.24 -0.285,-1.8 -1.5,-1.8 -1.5,-1.41 -0.69,-1.41 -0.69,1.26 -1.5,1.26 -1.5,1.6 -0.285,1.6 -0.285,0.89 0.285,0.89 0.285,1.6 1.5,1.6
  silkscreen extent -0.1,2.05 0.1,2.25, body extent -1.35,-1.35 1.35,1.35, height 1.75
SW_SKY13431-374LF [mm]
  rect 0.35x0.25 smd mask+0.01: 1(-0.725,0.5) 2(-0.725,0) 3(-0.725,-0.5) 4(0.725,-0.5) 5(0.725,0) 6(0.725,0.5)
  rect 0.1x0.1 smd paste-1 mask+0.01: 7(0,0)
  Top Layer region: 0.1,0.6 0.28,0.6 0.284,0.6 0.288,0.599 0.292,0.598 0.296,0.597 0.299,0.596 0.303,0.595 0.307,0.593 0.31,0.591 0.314,0.589 0.317,0.587 0.32,0.585 0.323,0.583 0.326,0.58 0.329,0.577 0.332,0.574 0.334,0.571 0.337,0.568 0.339,0.565 0.341,0.561 0.343,0.558 0.344,0.554 0.346,0.551 0.347,0.547 0.348,0.543 0.349,0.539 0.349,0.535 0.35,0.532 0.35,0.528 0.35,0.524 0.35,0.52 0.35,-0.52 0.35,-0.524 0.35,-0.528 0.35,-0.532 0.349,-0.535 0.349,-0.539 0.348,-0.543 0.347,-0.547 0.346,-0.551 0.344,-0.554 0.343,-0.558 0.341,-0.561 0.339,-0.565 0.337,-0.568 0.334,-0.571 0.332,-0.574 0.329,-0.577 0.326,-0.58 0.323,-0.583 0.32,-0.585 0.317,-0.587 0.314,-0.589 0.31,-0.591 0.307,-0.593 0.303,-0.595 0.299,-0.596 0.296,-0.597 0.292,-0.598 0.288,-0.599 0.284,-0.6 0.28,-0.6 0.1,-0.6 0.1,-0.65 -0.1,-0.65 -0.1,-0.6 -0.28,-0.6 -0.284,-0.6 -0.288,-0.599 -0.292,-0.598 -0.296,-0.597 -0.299,-0.596 -0.303,-0.595 -0.307,-0.593 -0.31,-0.591 -0.314,-0.589 -0.317,-0.587 -0.32,-0.585 -0.323,-0.583 -0.326,-0.58 -0.329,-0.577 -0.332,-0.574 -0.334,-0.571 -0.337,-0.568 -0.339,-0.565 -0.341,-0.561 -0.343,-0.558 -0.344,-0.554 -0.346,-0.551 -0.347,-0.547 -0.348,-0.543 -0.349,-0.539 -0.349,-0.535 -0.35,-0.532 -0.35,-0.528 -0.35,-0.524 -0.35,-0.52 -0.35,0.45 -0.2,0.6 -0.1,0.6 -0.1,0.65 0.1,0.65
  silkscreen extent -1.35,0.49 -1.25,0.59, body extent -0.75,-0.75 0.75,0.75, height 0.5
SW_TL3301AF160QG [mm]
  rect 2.1x1.4 smd mask+0.01: 1(-4.55,-2.25) 2(4.55,-2.25) 3(-4.55,2.25) 4(4.55,2.25)
  silkscreen extent -6.35,-3 3,3, body extent -5,-3 5,3, height 5.1
TE_5-146280-3 [mm]
  rect 1.398x1.398 hole 0.89 mask+0.01: 1(-2.54,0)
  round 1.398 hole 0.89 mask+0.01: 2(0,0) 3(2.54,0)
  silkscreen extent -3.61,-1.17 3.61,2.27
TE_5-146281-2 [mm]
  rect 1.53x1.53 hole 1.02 mask+0.01: 1(-1.27,0)
  round 1.53 hole 1.02 mask+0.01: 2(1.27,0)
  silkscreen extent -2.34,-1.17 2.34,2.27
TE_2118732-2 [mm]
  rect 1x1 smd paste-1 mask+0.01: S1(-25.3,18.95) S9(25.3,18.95) S23(-25.3,-18.95)
  rect 3.8x1 smd mask+0.01: S2(-18,18.95) S3(-12,18.95) S4(-6,18.95) S5(0,18.95) S6(6,18.95) S7(12,18.95) S8(18,18.95) S16(18,-18.95) S17(12,-18.95) S18(6,-18.95) S19(0,-18.95) S20(-6,-18.95) S21(-12,-18.95) S22(-18,-18.95)
  rect 1x3.8 smd mask+0.01: S10(25.3,12) S11(25.3,6) S12(25.3,0) S13(25.3,-6) S14(25.3,-12) S24(-25.3,-12) S25(-25.3,-6) S26(-25.3,0) S27(-25.3,6) S28(-25.3,12)
  Top Layer region: -24.8,-18.45 -22.1,-18.45 -22.1,-19.45 -25.8,-19.45 -25.8,-16.1 -24.8,-16.1
  Top Layer region: -22.1,18.45 -24.8,18.45 -24.8,16.1 -25.8,16.1 -25.8,19.45 -22.1,19.45
  Top Layer region: 25.8,-19.45 22.1,-19.45 22.1,-18.45 24.8,-18.45 24.8,-16.1 25.8,-16.1
  Top Layer region: 25.8,16.1 24.8,16.1 24.8,18.45 22.1,18.45 22.1,19.45 25.8,19.45
  silkscreen extent -25.4,-19.05 25.4,19.05
TE_2267062-6 [mm]
  rect 1.398x1.398 hole 0.89 mask+0.01: 1(-6.35,0)
  round 1.398 hole 0.89 mask+0.01: 2(-3.81,0) 3(-1.27,0) 4(1.27,0) 5(3.81,0) 6(6.35,0)
  silkscreen extent -7.42,-1.17 7.42,2.27
Testpoint_FP [mm]
  round 1.2 smd paste-0.6 mask+0.01: TP?(0,0)
  silkscreen extent -0.84,-0.84 0.84,0.84, body extent -0.6,-0.6 0.6,0.6, height 0.03
WE-CNSW_0805 [mm] "SMT Common Mode Line Filter, 4-leads, body 2.00x1.20mm"
  rect 0.9x0.4 smd mask+0.01: 1(-0.85,0.4) 2(0.85,0.4) 3(0.85,-0.4) 4(-0.85,-0.4)
  body extent -1,-0.6 1,0.6, height 1.2
XTAL_NX3215SA-32.768K-STD-MUA-14 [mm]
  rect 1x1.8 smd mask+0.01: 1(-1.25,0) 2(1.25,0)
  silkscreen extent -2.35,-0.75 0.43,0.75, body extent -1.6,-0.75 1.6,0.75, height 0.9